# Altium PCB ecs8a_v3_bottom.PcbDoc
Units mm, origin at the board's own origin, x right, y up, seen from the top; angles counter-clockwise.
Board outline 47.24 x 27.94 mm, 2 copper layers (Top Layer, Bottom Layer); 44 components, 25 nets, 119 pads, 36 vias.
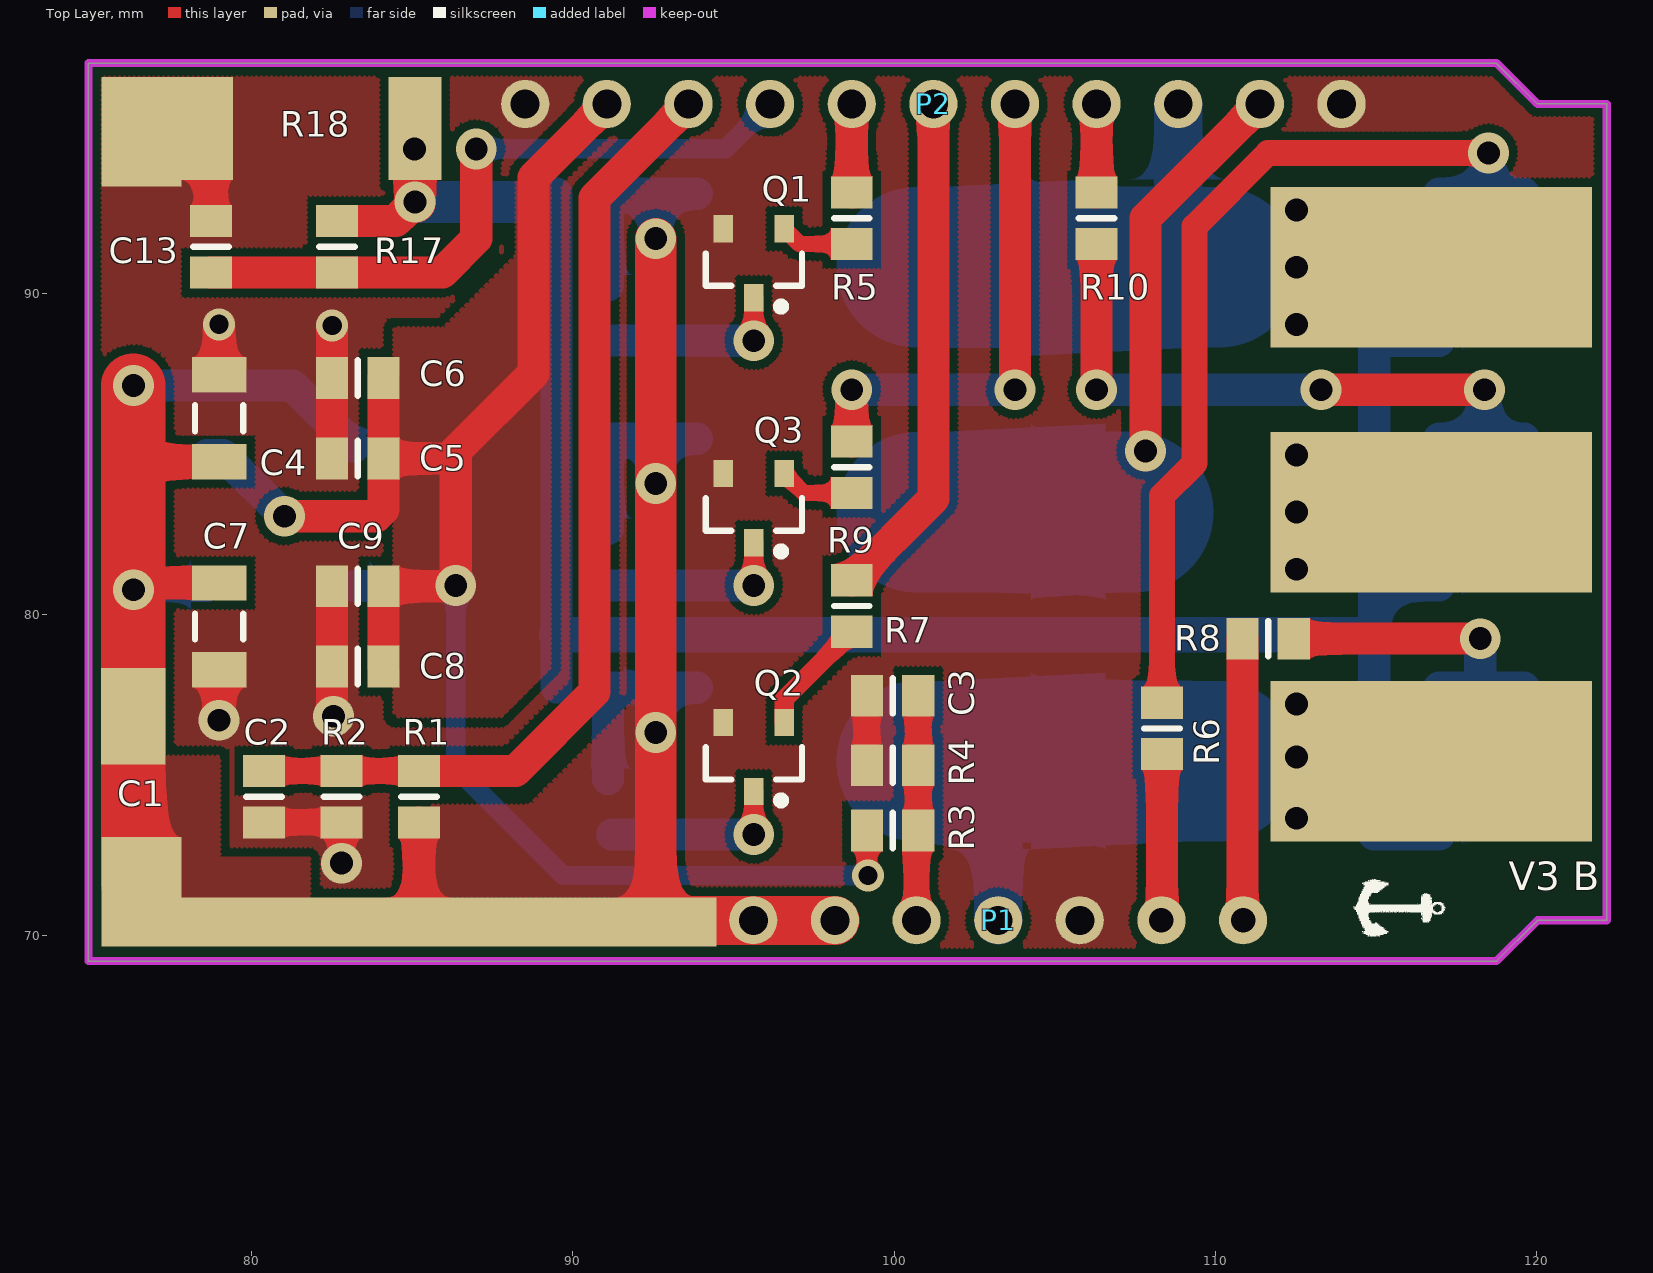
[diagram p0: Top Layer view]
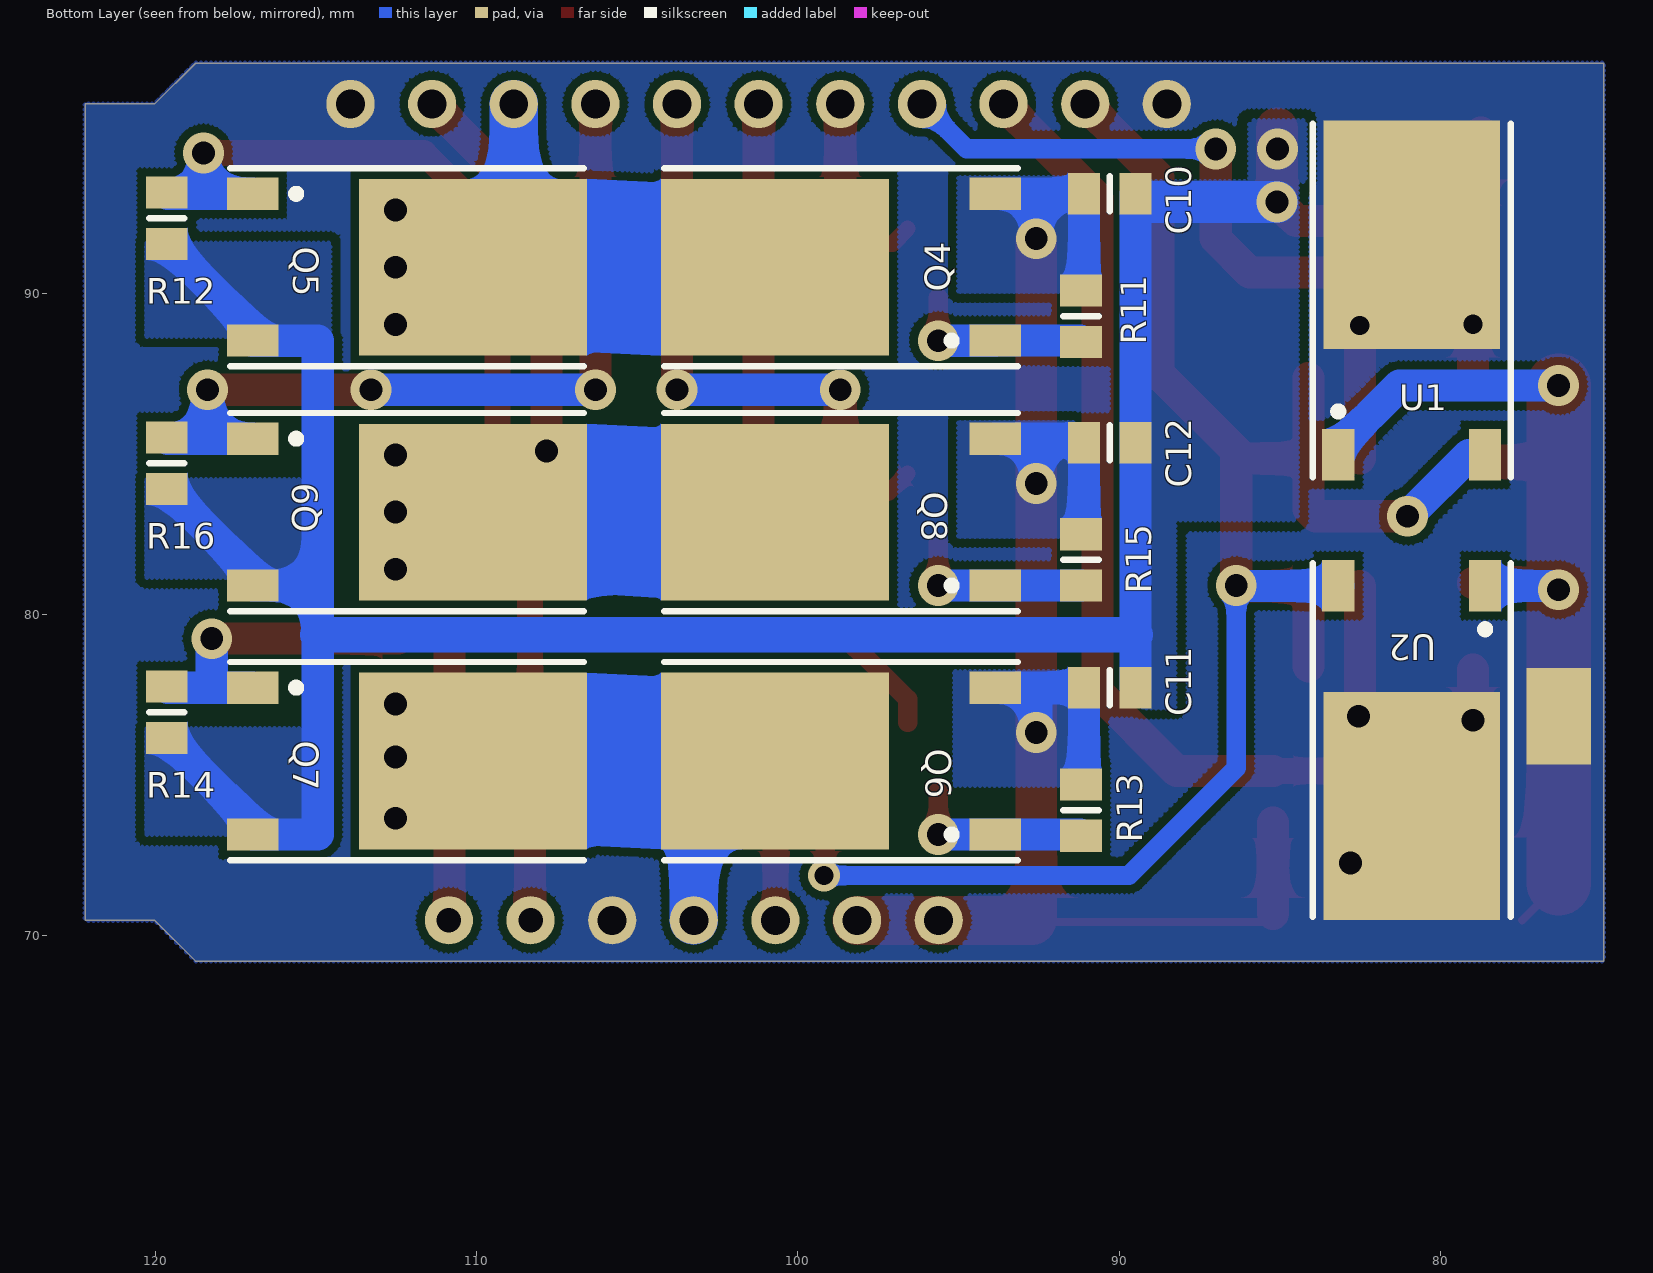
[diagram p1: Bottom Layer view, seen from below]

## Layer stack, top to bottom
Top Solder: solder mask 0.0102, Solder Resist, Dk 3.5
Top Layer: signal copper 0.0356
Dielectric 1: dielectric 0.32, FR-4, Dk 4.8
Bottom Layer: signal copper 0.0356
Bottom Solder: solder mask 0.0102, Solder Resist, Dk 3.5

## Board outline
74.93,69.215 74.93,97.155 118.745,97.155 120.015,95.885 122.169,95.885 122.169,70.485 120.015,70.485 118.745,69.215

## Design rules (kind name [scope] priority, off if disabled: settings)
Clearance [All] p1: gap=0.254
PolygonConnect [All] p1: connectstyle=Direct reliefconductorwidth=0.254 reliefentries=4 polygonreliefangle="90 Angle" airgapwidth=0.254
RoutingVias [All] p1: holewidth=0.711 width=1.27 viastyle="Through Hole" minholewidth=0.5 minwidth=1 maxholewidth=0.711 maxwidth=1.27
SolderMaskExpansion [All] p1: expansion=0.102
Width [All] p1: maxlimit=5 minlimit=0.254 preferedwidth=0.254
30 further rules are at their usual default settings.

## Components (designator, comment, footprint, x,y, rotation, side; value= is the part's Value field where it differs from the comment)
C1 "Cap Pol1" D_C 76.327,76.835 r90 top locked
C2 "Cap" 6-0805_L 80.391,74.333 r270 top
C3 "Cap" 6-0805_L 99.949,77.47 r0 top
C4 "Cap" C1206 78.994,86.106 r90 top
C5 "Cap" 6-0805_L 83.312,84.856 r180 top
C6 "Cap" 6-0805_L 83.312,87.356 r180 top
C7 "Cap" C1206 78.994,79.629 r270 top
C8 "Cap" 6-0805_L 83.312,78.379 r180 top
C9 "Cap" 6-0805_L 83.312,80.879 r180 top
C10 "Cap" 6-0805_L 90.297,93.091 r0 bottom
C11 "Cap" 6-0805_L 90.297,77.724 r0 bottom
C12 "Cap" 6-0805_L 90.297,85.344 r0 bottom
C13 "Cap" 6-0805_L 78.74,91.44 r270 top
P1 "Header 7" 7PIN_2.54 95.616,70.485 r0 top locked
P2 "Header 11" 11PIN_2.54 113.919,95.885 r180 top locked
Q1 "2N3904" SOT23_L 95.631,90.932 r270 top
Q2 "2N3904" SOT23_L 95.631,75.565 r270 top
Q3 "2N3904" SOT23_L 95.631,83.312 r270 top
Q4 "IRFR5305" TO-252AA 97.286,90.805 r90 bottom locked
Q5 "IRFR1205" TO-252AA 113.534,90.805 r270 bottom locked
Q6 "IRFR5305" TO-252AA 97.286,75.438 r90 bottom locked
Q7 "IRFR1205" TO-252AA 113.534,75.438 r270 bottom locked
Q8 "IRFR5305" TO-252AA 97.286,83.185 r90 bottom locked
Q9 "IRFR1205" TO-252AA 113.534,83.185 r270 bottom locked
R1 "Res3" 6-0805_L 85.217,74.333 r270 top
R2 "Res3" 6-0805_L 82.804,74.333 r90 top
R3 "温度电阻" 6-0805_L 99.949,73.279 r180 top
R4 "Res1" 6-0805_L 99.949,75.311 r0 top
R5 "Res1" 6-0805_L 98.679,92.329 r90 top
R6 "Res1" 6-0805_L 108.331,76.454 r270 top
R7 "Res1" 6-0805_L 98.679,80.264 r90 top
R8 "Res1" 6-0805_L 111.633,79.248 r180 top
R9 "Res1" 6-0805_L 98.679,84.582 r90 top
R10 "Res1" 6-0805_L 106.299,92.329 r90 top
R11 "Res3" 6-0805_L 91.186,89.281 r270 bottom
R12 "Res3" 6-0805_L 119.634,92.329 r90 bottom
R13 "Res3" 6-0805_L 91.186,73.914 r270 bottom
R14 "Res3" 6-0805_L 119.634,76.962 r90 bottom
R15 "Res3" 6-0805_L 91.186,81.699 r270 bottom
R16 "Res3" 6-0805_L 119.634,84.709 r90 bottom
R17 "Res3" 6-0805_L 82.662,91.44 r270 top
R18 "Res1" 2512_R 78.61,95.123 r0 top
U1 "78M05" TO-252AA 80.899,88.392 r180 bottom locked
U2 "78M05" TO-252AA 80.899,77.466 r0 bottom locked

## Footprints (in the part's own frame and the unit in brackets; to place one, negate y for a bottom-side part, rotate by r counter-clockwise, add the part's x,y. Pads: shape width x height; smd on the part's side, far side on the other; paste and mask are expansions set on the pad)
6-0805_L [mm] "Chip Resistor, Body 2.0x1.2mm, IPC High Density"
  rect 1x1.3 smd: 1(-0.8,0) 2(0.8,0)
  silkscreen extent 0,-0.55 0,0.55, body extent -1.07,-0.7 1.07,0.7, height 0.7
7PIN_2.54 [mm]
  round 1.5 hole 0.9: 1(0,0) 2(2.54,0) 3(5.08,0) 4(7.62,0) 5(10.16,0)
  round 1.5 hole 0.762: 6(12.7,0) 7(15.24,0)
11PIN_2.54 [mm]
  round 1.5 hole 0.9: 1(0,0) 2(2.54,0) 3(5.08,0) 4(7.62,0) 5(10.16,0) 6(12.7,0) 7(15.24,0) 8(17.78,0) 9(20.32,0) 10(22.86,0) 11(25.4,0)
2512_R [mm]
  rect 1.65x3.2 smd: 1(0,0) 2(6.48,0)
C1206 [mm] "Chip Capacitor, Body 3.2x1.6mm, IPC High Density"
  rect 1.1x1.7 smd: 1(-1.35,0) 2(1.35,0)
  silkscreen extent -0.4,-0.75 0.4,0.75, body extent -1.7,-0.9 1.7,0.9, height 1.3
D_C [mm]
  rect 3x2 smd: 1(0,0)
  rect 3x2 smd far side: 2(0,0)
SOT23_L [mm] "SOT23, 3-Leads, Body 2.9x1.3mm, Pitch 0.95mm, Lead Span 2.3mm - Reverse Pinning, IPC High Density"
  rect 0.85x0.6 smd: 1(1.075,0) 2(-1.075,-0.95) 3(-1.075,0.95)
  silkscreen extent -0.3,-1.5 1.47,1.5, body extent -0.7,-1.5 0.7,1.5, height 1.1
TO-252AA [mm] "D-PAK/TO-252-AA; 3 Leads (1 Cropped); Body 10.4 (inc. leads) x 6.7 mm (LxW max)"
  rect 1x1.6 smd: 1(-2.285,-3.425) 3(2.285,-3.425)
  rect 5.5x7.1 smd: 4(0,3.425)
  silkscreen extent -3.09,-4.13 3.09,6.88

## Part data
C1: "Polarized Capacitor (Radial)"
C2 C3 C4 C5 C6 C7 C8 C9 C10 C11 C12 C13: "Capacitor"
P1: "Header, 7-Pin"
P2: "Header, 11-Pin"
Q1 Q2 Q3: "NPN General Purpose Amplifier"
Q4 Q5 Q6 Q7 Q8 Q9: "HEXFET Power MOSFET"
R1 R2 R4 R5 R6 R7 R8 R9 R10 R11 R12 R13 R14 R15 R16 R17 R18: "Resistor"
R3: library part Res1, "Resistor"
U1 U2: library part Component_1

## Free pads (board coordinates)
  rect 2.5x3.4 smd: 0(76.581,95.023) 1(76.581,71.374)
  rect 10x5 smd: 2(116.713,90.805) 3(116.713,83.185) 4(116.713,75.438)
  rect 18x1.524 smd: 5(85.471,70.436)

## Via types
v1: diameter 1.27, hole 0.711, Top Layer to Bottom Layer, 33 vias
v2: diameter 1, hole 0.6, Top Layer to Bottom Layer, 3 vias

## Nets (pads, with @x,y where several pads share a name; then routed paths per layer and width w, separated by ;. In a path a pad name is that pad's centre, name@x,y a point inside that pad or via, vN(x,y) a via of type N, cw(c..) or ccw(c..) an arc to the next point about the centre after c; other vN are vias at no path point)
+5V_BEC: C5.1 C6.1 C8.1 C9.1 P2.10 R3.2 U1.3 U2.3 | length 59.1
  Top Layer w0.254: 86.126,84.856 86.36,85.09 ; v1@86.34,80.879 v1(86.36,80.899) ; v2@99.149,71.837 99.187,71.875 v2(99.187,71.882)
  Top Layer w0.6: v2@99.149,71.837 R3.2
  Top Layer w1: v1(81.026,83.058) 83.896,83.058 84.112,83.274 C5.1 ; C8.1 C9.1 v1@86.34,80.879 ; C6.1 C5.1 ; 86.126,84.856 C5.1 ; v1(86.36,80.899) 86.36,85.09 88.773,87.503 88.773,93.599 P2.10
  Bottom Layer w0.254: v1@86.352,80.891 v1(86.36,80.899)
  Bottom Layer w0.6: v1(86.36,80.899) 86.36,75.223 89.701,71.882 v2(99.187,71.882)
  Bottom Layer w1: U1.3 79.117,84.967 v1(81.026,83.058) ; U2.3 v1@86.352,80.891
AH: P2.7 R5.2 | length 2.9
  Top Layer w0.254: R5.2@98.679,93.002 R5.2
  Top Layer w1: R5.2 P2.7
AL: P1.6 R6.2 | length 5.2
  Top Layer w1: P1.6 108.331,70.5 R6.2
BH: P2.6 R7.2 | length 15.9
  Top Layer w1: R7.2 101.219,83.604 P2.6
BL: P1.7 R8.2 | length 8.8
  Top Layer w0.254: P1.7@110.833,70.508 P1.7
  Top Layer w1: P1.7@110.833,70.508 R8.2
CH: P2.5 R9.2 | length 15.9
  Top Layer w0.254: P2.5 P2.5@104.013,95.631
  Top Layer w1: R9.2 v1(98.679,86.995) ; v1(103.759,86.995) P2.5
  Bottom Layer w1: v1(98.679,86.995) v1(103.759,86.995)
CL: P2.4 R10.2 | length 2.8
  Top Layer w1: R10.2 P2.4
CURRENT: C13.2 P2.8 R17.2 | length 21.2
  Top Layer w1: C13.2 R17.2 85.941,90.64 86.995,91.694 v1(86.995,94.488)
  Bottom Layer w0.6: v1(86.995,94.488) 94.742,94.488 P2.8
GND: C1.2 C2.2 C3.1 C4.2 C5.2 C6.2 C7.2 C8.2 C9.2 C13.1 P1.5 P2.1 P2.11 pad.0 Q1.2 Q2.2 Q3.2 R2.1 R4.1 R18.1 U1.4 U2.4 | length 20.1
  Top Layer w0.254: R18.1 R18.1@78.74,94.993 ; v1@82.512,76.873 v1(82.55,76.835)
  Top Layer w0.8: C2.2 R2.1 v1(82.804,72.263) ; R4.1 C3.1
  Top Layer w1: C13.1 R18.1@78.74,94.993 ; v1(78.994,76.708) C7.2 ; C4.2 v2(78.994,89.027) ; v1@82.512,76.873 C8.2 C9.2 ; C5.2 C6.2 v2(82.512,88.989)
NetC10_1: C10.1 C11.1 C12.1 Q5.3 Q7.3 Q9.3 R12.1 R14.1 R16.1 R17.1 R18.2 | length 84.4
  Top Layer w1: R17.1 84.493,92.24 v1(85.09,92.837)
  Top Layer w1.3: v1(85.09,92.837) R18.2
  Bottom Layer w0.254: C10.1@89.243,92.837 C10.1 ; 89.497,86.957 89.535,86.995 ; Q9.3@116.957,80.898 Q9.3 Q9.3@116.959,81.234 ; Q5.3@116.957,88.518 Q5.3 Q5.3@116.959,88.854 ; Q7.3 Q7.3@116.959,73.487 ; R16.1 R16.1@119.723,83.82 ; R12.1 R12.1@119.723,91.44
  Bottom Layer w1: C11.1 89.497,79.375 C12.1 89.497,86.957 C10.1 ; Q9.3@116.957,80.898 114.936,80.898 ; Q5.3@116.957,88.518 114.936,88.518 114.936,80.898 ; Q7.3 114.936,73.153 114.936,79.375 114.936,80.898 ; Q7.3@116.959,73.487 R14.1 ; Q9.3@116.959,81.234 R16.1 ; Q5.3@116.959,88.854 R12.1
  Bottom Layer w1.1: 89.497,79.375 114.936,79.375
  Bottom Layer w1.3: v1(85.09,92.837) C10.1@89.243,92.837
  other v1: 85.077,94.488
NetQ1_1: Q1.1 Q4.1 R11.2 | length 5.9
  Top Layer w0.6: v1(95.631,88.519) Q1.1
  Bottom Layer w0.254: R11.2@90.932,88.481 R11.2@90.971,88.52 ; R11.2 R11.2@91.225,88.52 ; Q4.1 Q4.1@93.862,88.519
  Bottom Layer w1: R11.2@91.225,88.52 Q4.1 ; Q4.1@93.862,88.519 v1(95.631,88.519)
NetQ1_3: Q1.3 R5.1 | length 2.3
  Top Layer w0.5: Q1.3 97.059,91.529 R5.1
NetQ2_1: Q2.1 Q6.1 R13.2 | length 5.9
  Top Layer w0.6: v1(95.631,73.152) Q2.1
  Bottom Layer w0.254: R13.2@90.932,73.114 R13.2@90.971,73.153 ; R13.2 R13.2@91.225,73.153 ; Q6.1 Q6.1@93.862,73.152
  Bottom Layer w1: R13.2@91.225,73.153 Q6.1 ; Q6.1@93.862,73.152 v1(95.631,73.152)
NetQ2_3: Q2.3 R7.1 | length 3.7
  Top Layer w0.6: Q2.3 96.581,77.366 R7.1
NetQ3_1: Q3.1 Q8.1 R15.2 | length 5.8
  Top Layer w0.6: v1(95.631,80.899) Q3.1
  Bottom Layer w0.254: R15.2@90.932,80.899 R15.2@90.933,80.9 ; R15.2 R15.2 ; Q8.1 Q8.1@93.862,80.899
  Bottom Layer w1: R15.2 Q8.1 ; Q8.1@93.862,80.899 v1(95.631,80.899)
NetQ3_3: Q3.3 R9.1 | length 2.4
  Top Layer w0.254: Q3.3 Q3.3@96.611,84.417
  Top Layer w0.5: Q3.3 97.186,83.782 R9.1
NetQ5_1: Q5.1 R6.1 R12.2 | length 29.3
  Top Layer w0.8: R6.1 108.331,83.693 109.347,84.709 109.347,92.075 111.633,94.361 v1(118.491,94.361)
  Bottom Layer w0.254: R12.2@119.595,93.09 R12.2
  Bottom Layer w1: Q5.1 118.491,93.09 ; v1(118.491,94.361) 118.491,93.09 ; R12.2@119.595,93.09 118.491,93.09
NetQ7_1: Q7.1 R8.1 R14.2 | length 10
  Top Layer w1: R8.1 v1(118.237,79.248)
  Bottom Layer w0.254: 118.237,77.763 118.277,77.723 ; R14.2@119.595,77.723 R14.2
  Bottom Layer w1: Q7.1 118.277,77.723 R14.2@119.595,77.723 ; 118.237,77.763 v1(118.237,79.248)
NetQ9_1: Q9.1 R10.1 R16.2 | length 20.8
  Top Layer w1: v1(106.299,86.995) R10.1 ; v1(113.284,86.995) v1(118.364,86.995)
  Bottom Layer w0.254: R16.2@119.595,85.47 R16.2
  Bottom Layer w1: v1(106.299,86.995) v1(113.284,86.995) ; Q9.1 118.364,85.47 ; v1(118.364,86.995) 118.364,85.47 ; R16.2@119.595,85.47 118.364,85.47
PHASEA: P2.3 pad.2 Q4.4 Q5.4 | length 15
  Bottom Layer w0.254: Q5.4@108.839,92.075 Q5.4
  Bottom Layer w1.5: Q5.4@108.839,92.075 P2.3
  Bottom Layer w5: Q4.4 Q5.4
  other v1: 112.522,89.027 112.522,90.805 112.522,92.583
PHASEB: P1.4 pad.4 Q6.4 Q7.4 | length 15.4
  Bottom Layer w0.254: Q6.4 Q6.4@103.236,72.913
  Bottom Layer w1.5: P1.4 Q6.4@103.236,72.913
  Bottom Layer w5: Q6.4 Q7.4
  other v1: 112.522,73.66 112.522,75.565 112.522,77.216
PHASEC: P2.2 pad.3 Q8.4 Q9.4 | length 19
  Top Layer w1: v1(107.823,85.09) 107.823,92.329 P2.2
  Bottom Layer w5: Q8.4 Q9.4@107.442,83.185
  other v1: 112.522,81.407 112.522,83.185 112.522,84.963
TEMP_ADC: C3.2 P1.3 R3.1 R4.2 | length 7
  Top Layer w0.254: P1.3 P1.3@100.711,70.5 ; R3.1@100.696,73.226 R3.1
  Top Layer w0.8: P1.3 R3.1@100.696,73.226 ; R3.1 R4.2 C3.2
VBAT: C2.1 P2.9 R1.1 R2.2 | length 30.8
  Top Layer w0.8: C2.1 R2.2 R1.1
  Top Layer w1: R1.1 88.214,75.133 90.678,77.597 90.678,92.964 P2.9
VCC: C1.1 C4.1 C7.1 C10.2 C11.2 C12.2 P1.1 P1.2 pad.1 pad.5 Q4.3 Q6.3 Q8.3 R1.2 R11.1 R13.1 R15.1 U1.1 U2.1 | length 92.2
  Top Layer w0.254: pad.1@76.327,71.628 pad.1 pad.5@77.47,70.485 ; C4.1@79.629,84.756 C4.1@79.629,84.883 ; pad.5@85.217,70.69 pad.5 pad.5@92.661,70.436 ; pad.5@92.583,70.514 pad.5@92.661,70.436 ; pad.5@92.71,70.485 pad.5@92.661,70.436 ; P1.1 P1.1@95.885,70.754
  Top Layer w1: v1(76.327,80.772) 76.534,80.979 C7.1 ; 76.327,84.756 C4.1 ; pad.5@85.217,70.69 R1.2
  Top Layer w1.3: pad.5@92.583,70.514 v1(92.583,76.327) v1(92.583,84.074) v1(92.583,91.694)
  Top Layer w1.524: pad.5@92.71,70.485 P1.1 P1.2
  Top Layer w2: pad.1@76.327,71.628 C1.1 v1(76.327,80.772) 76.327,84.756 v1(76.327,87.122)
  Bottom Layer w0.254: v1(76.327,80.772) v1@76.446,80.891 ; U1.1 U1.1@83.184,85.218 ; R15.1@90.932,82.499 R15.1@91.097,82.664 ; R11.1@90.932,90.081 91.097,90.246 91.097,90.17 R11.1 ; R13.1@91.097,74.879 91.097,74.803 R13.1 ; C12.2 C12.2@91.223,85.47 ; C10.2 C10.2 ; Q6.3 Q6.3@93.862,77.724 ; Q8.3 Q8.3@93.862,85.471
  Bottom Layer w1: v1(76.327,87.122) 81.28,87.122 U1.1@83.184,85.218 ; v1@76.446,80.891 U2.1 ; R13.1@91.097,74.879 C11.2 92.583,77.724 ; R15.1@91.097,82.664 C12.2 ; R11.1@91.097,90.246 C10.2 ; C10.2 92.583,93.09 ; C12.2@91.223,85.47 92.583,85.47 ; v1(92.583,76.327) 92.583,77.723 Q6.3 ; v1(92.583,84.074) 92.583,85.47 ; v1(92.583,91.694) 92.583,93.09 ; Q8.3 92.583,85.47 ; Q4.3 92.583,93.09

## Polygon pours and split planes (outlines as drawn)
+5V_BEC on Top Layer "top-5v_bec_1" (hatched 90Degree grid 0 track 0.152, remove dead copper, pour order 4): 89.281,93.472 89.281,78.359 87.757,76.835 84.455,76.835 84.455,81.915 84.455,88.9 85.979,88.9 88.265,91.186 88.265,93.472 89.281,93.472
VCC on Top Layer "top-vcc-2" (hatched 90Degree grid 0 track 0.152, remove dead copper, pour order 2): 85.598,71.247 85.598,74.041 88.646,74.041 92.075,77.47 92.075,71.247 85.598,71.247
VCC on Top Layer "top-vcc-1" (hatched 90Degree grid 0 track 0.152, remove dead copper, pour order 0): 77.216,75.565 78.994,75.565 78.994,72.39 81.788,72.39 81.788,70.993 77.216,70.993 77.216,75.565
GND on Top Layer "top_gnd" (hatched 90Degree grid 0 track 0.152, remove dead copper, pour order 32): 74.93,97.155 74.93,69.215 118.745,69.215 120.015,70.485 122.169,70.485 122.169,95.885 120.015,95.885 118.745,97.155 74.93,97.155
NetC10_1 on Bottom Layer "bottom_netc10_1_5" (hatched 90Degree grid 0 track 0.152, remove dead copper, pour order 26): 85.954,93.472 85.954,95.352 85.979,95.377 84.201,95.377 84.201,93.472 85.954,93.472
NetC10_1 on Bottom Layer "bottom_netc10_1_4" (hatched 90Degree grid 0 track 0.152, remove dead copper, pour order 22): 119.126,76.454 115.189,76.454 115.189,73.153 120.268,73.153 120.269,73.152 120.269,76.454 119.126,76.454
NetC10_1 on Bottom Layer "bottom_netc10_1_3" (hatched 90Degree grid 0 track 0.152, remove dead copper, pour order 20): 118.999,84.201 115.316,84.201 115.316,81.153 120.269,81.153 120.269,84.201 118.999,84.201
NetC10_1 on Bottom Layer "bottom_netc10_1_2" (hatched 90Degree grid 0 track 0.152, remove dead copper, pour order 18): 120.269,91.567 114.554,91.567 114.554,88.646 120.269,88.646 120.269,91.567
NetC10_1 on Bottom Layer "bottom_netc10_1_1" (hatched 90Degree grid 0 track 0.152, remove dead copper, pour order 12): 84.455,93.472 89.154,93.472 89.281,93.345 89.281,77.089 88.265,77.089 88.265,82.931 84.455,82.931 84.455,93.472
VCC on Bottom Layer "bottom_vcc_3" (hatched 90Degree grid 0 track 0.152, remove dead copper, pour order 10): 95.123,78.232 95.123,74.676 91.44,74.676 91.44,78.232 95.123,78.232
VCC on Bottom Layer "bottom_vcc_2" (hatched 90Degree grid 0 track 0.152, remove dead copper, pour order 8): 94.996,85.979 94.996,82.423 91.44,82.423 91.44,85.979 94.996,85.979
VCC on Bottom Layer "bottom_vcc_1" (hatched 90Degree grid 0 track 0.152, remove dead copper, pour order 6): 94.615,93.599 94.996,93.599 94.996,90.043 91.44,90.043 91.44,93.599 94.615,93.599
GND on Bottom Layer "bottom_gnd" (hatched 90Degree grid 0 track 0.152, remove dead copper, pour order 34): 74.93,97.155 74.93,69.215 118.745,69.215 120.015,70.485 122.174,70.485 122.174,95.885 120.015,95.885 118.745,97.155 74.93,97.155

## Keep-outs
Top Layer:
  the board outline again, w0.254

## Silkscreen, mask and mechanical layers (free items; w line width, h text height)
Top Overlay:
  drawing of 1033 lines, arcs and shapes, not listed
  text "V3 B" at 119.126,71.12 h1.52